# Allegro board HI3516APERB_VER_B_PCB.brd (continued)
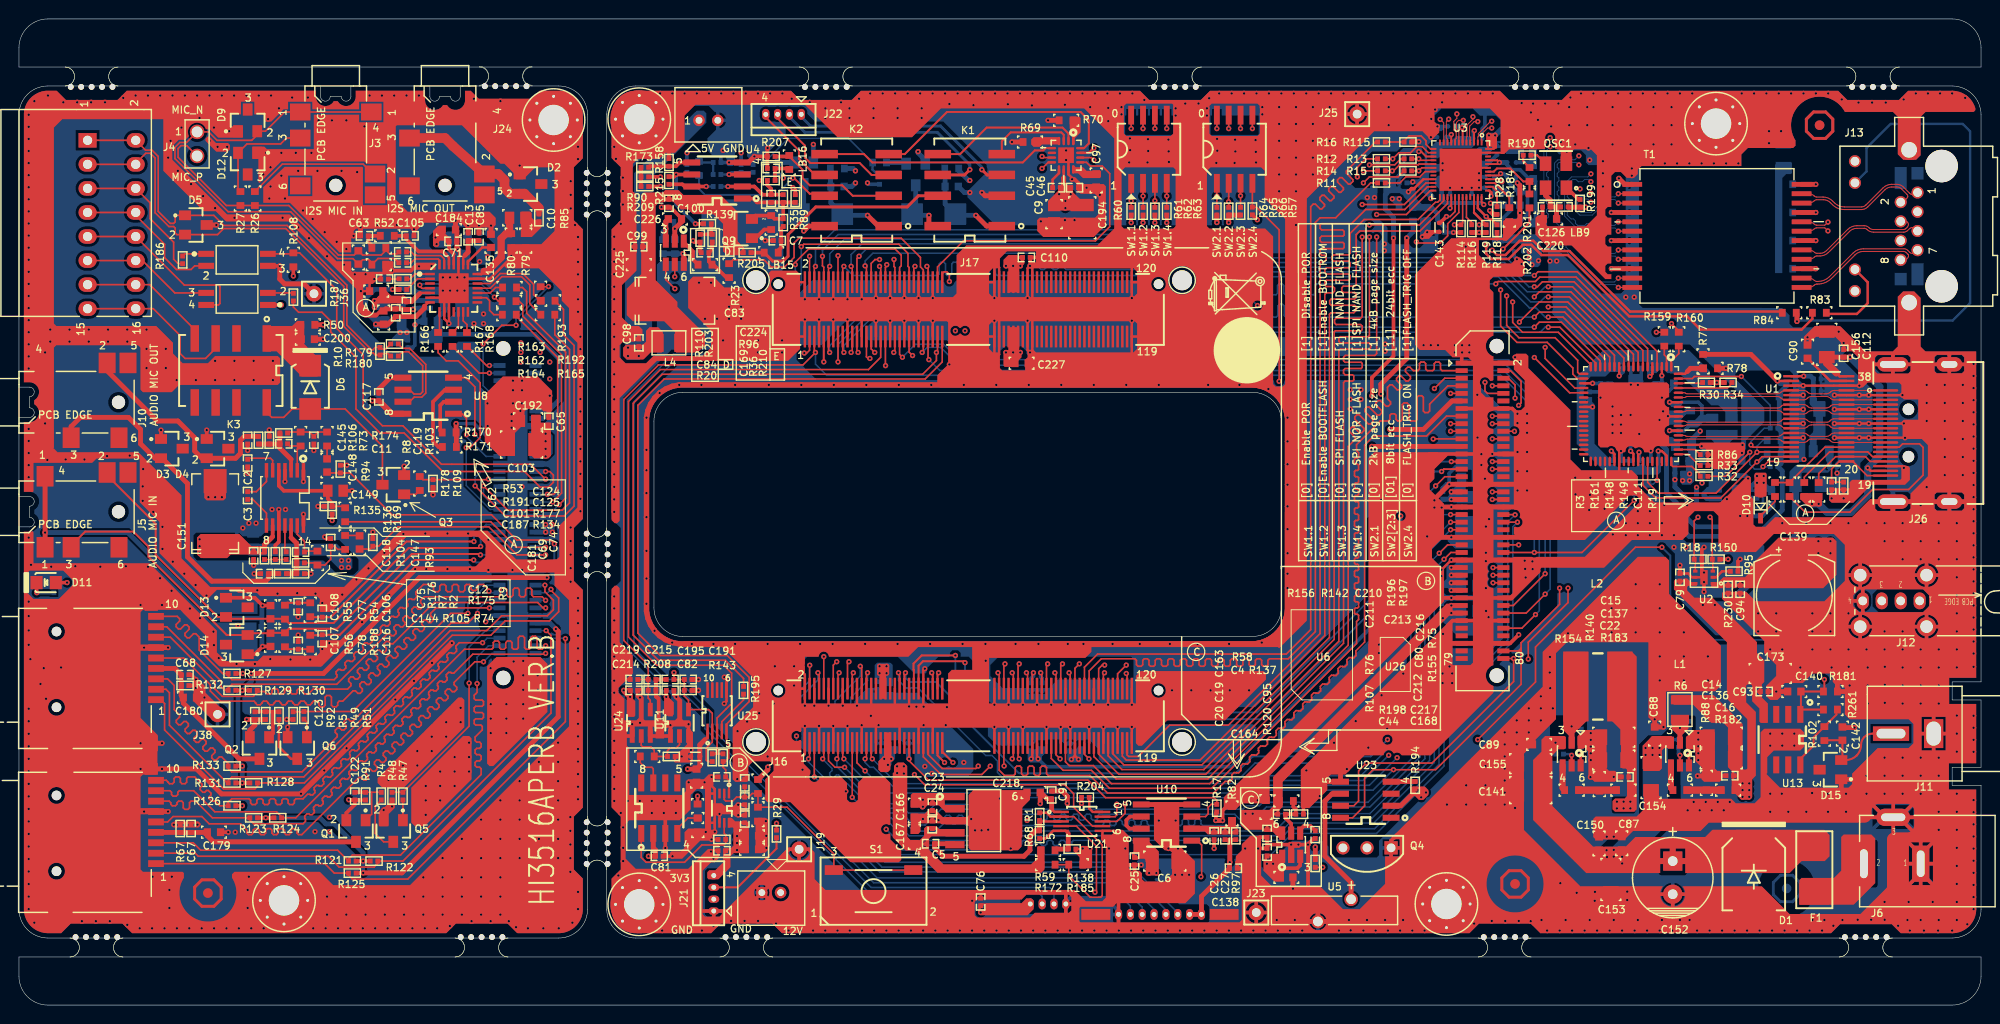
[diagram p0: board, top side]
## Routing (per net, layer and track width the routed paths; a pad name or vN(x,y) marks a point on that pad's centre or on a via; arc(x,y) is an arc through that point) (continued)
RS485_A_D+: length 48.2
  TOP w0.165: J7.3 12.32,88.79 12.32,88.91 13.37,89.96 13.87,89.96 14.36,89.46 14.36,83.69 15.82,82.23 16.32,82.23 16.49,82.06 16.49,81.54 16.65,81.37 D5.2 20.95,81.37 21.59,82.01 28.16,82.01 34.26,75.9 34.26,71.68 37.07,68.88 37.38,68.88 37.61,68.65 R10.1 38.25,68.8 38.96,68.8 R180.2
RS485_B_D-: length 48.4
  TOP w0.165: R179.2 38.71,69.31 38.25,69.31 R10.2 37.61,69.46 37.36,69.21 37.2,69.21 34.59,71.82 34.59,76.04 28.3,82.34 21.62,82.34 20.56,83.41 D5.1 16.65,83.41 16.49,83.24 16.49,82.72 16.32,82.56 15.96,82.56 14.69,83.82 14.69,89.63 14.03,90.29 13.36,90.29 12.32,91.33 J7.1
RXDLY: length 3.2
  TOP w0.165: U3.32 152.73,83.2 153.29,82.64 R116.2
SD0_LED: length 93.9
  TOP w0.165: J17.51 95.42,69.05 v1(95.3,68.93) ; v1(161.04,45.56) 157.68,42.2 J8.66
  BOTTOM w0.165: v1(161.04,45.56) 161.04,63.47 156.92,67.58 99.14,67.58 97.26,69.46 95.82,69.46 95.3,68.94 v1(95.3,68.93)
SD1_LED: length 99.5
  TOP w0.165: v1(93.22,68.42) 92.92,68.72 J17.41 ; v1(161.04,43.4) 159.04,41.4 J8.68
  BOTTOM w0.165: v1(93.22,68.42) 94.58,69.79 97.57,69.79 99.19,68.17 157.17,68.17 161.56,63.78 161.56,43.93 v1(161.04,43.4)
SDIO0_CARD_DETECT: length 94.2
  TOP w0.165: J8.20 v1(157.8,60.6) ; J16.51 95.42,26.21 97.28,24.35 101.6,24.35 v1(102.49,25.24)
  ART03 w0.165: v1(102.49,25.24) 107.05,20.68 126.12,20.68 130.69,25.25 134.5,25.25 147.19,37.94 147.19,54.32 153.47,60.6 v1(157.8,60.6)
SDIO0_CARD_DETECT_C: length 56.8
  TOP w0.165: v1(49.59,43.72) 49.59,43.85 49.02,44.42 48.53,44.42 48.36,44.25 48.36,43.95 48.2,43.78 47.87,43.78 47.7,43.95 47.7,44.25 47.54,44.42 47.21,44.42 47.04,44.25 47.04,43.82 46.88,43.66 46.55,43.66 46.38,43.82 46.38,44.25 46.22,44.42 45.89,44.42 45.72,44.25 45.72,43.82 45.55,43.66 45.22,43.66 45.06,43.82 45.06,44.25 44.89,44.42 44.56,44.42 44.4,44.25 44.4,43.82 44.23,43.66 43.9,43.66 43.74,43.82 43.74,44.25 43.57,44.42 42.67,44.42 41.87,43.62 41.87,43.38 41.96,43.3 41.96,43.07 41.72,42.83 41.49,42.83 41.41,42.92 41.17,42.92 40.94,42.68 40.94,42.45 41.02,42.37 41.02,42.13 40.79,41.9 40.56,41.9 40.47,41.98 40.24,41.98 40,41.75 40,41.52 40.09,41.43 40.09,41.2 39.85,40.97 39.62,40.97 39.54,41.05 39.3,41.05 39.07,40.82 39.07,40.58 39.15,40.5 39.15,40.27 38.92,40.03 38.69,40.03 38.6,40.12 38.37,40.12 38.14,39.88 38.14,39.65 38.22,39.56 38.22,39.33 37.99,39.1 37.75,39.1 37.67,39.18 37.44,39.18 37.2,38.95 37.2,38.71 37.29,38.63 37.29,38.4 37.05,38.16 36.82,38.16 36.73,38.25 36.5,38.25 36.27,38.01 36.27,37.78 36.35,37.7 36.35,37.46 36.12,37.23 35.88,37.23 35.8,37.31 35.57,37.31 35.33,37.08 35.33,36.85 35.42,36.76 35.42,36.53 35.18,36.29 34.95,36.29 34.87,36.38 34.63,36.38 34.4,36.14 34.4,35.91 34.48,35.83 34.48,35.59 34.25,35.36 34.02,35.36 33.93,35.44 33.7,35.44 33.46,35.21 33.46,34.98 33.55,34.89 33.55,34.66 33.26,34.37 22.47,34.37 22.07,34.77 R127.2 21.49,35.02 19.02,37.49 19.02,38.86 18.66,39.22 18.42,39.22 17.99,38.79 17.75,38.79 17.52,39.02 17.52,39.26 17.96,39.69 17.96,39.92 17.72,40.16 17.49,40.16 17.05,39.72 16.82,39.72 16.59,39.96 16.59,40.19 16.96,40.56 16.96,40.8 16.7,41.05 J2.12
  BOTTOM w0.165: J9.20 49.76,43.55 v1(49.59,43.72)
SDIO0_CARD_POWER_EN: length 90.7
  TOP w0.165: J8.22 v1(155.46,59.8) ; v1(101.22,25.24) 100.97,24.99 97.41,24.99 95.92,26.47 J16.53
  ART03 w0.165: v1(101.22,25.24) 106.28,20.18 126.38,20.18 130.96,24.76 134.71,24.76 147.96,38 147.96,54.39 149.1,55.53 150.43,55.53 154.7,59.8 v1(155.46,59.8)
SDIO0_CARD_POWER_EN_C: length 27.9
  TOP w0.165: v1(47.37,41.37) 45.57,41.37 35.21,31.01 R51.1 30.05,30.98 R49.1
  BOTTOM w0.165: J9.22 49.33,44.35 47.37,42.39 v1(47.37,41.37)
SDIO0_CCLK_OUT: length 93.1
  TOP w0.165: v1(103.3,35.1) 103.42,34.98 J16.64 ; J8.16 v1(155.46,62.2)
  ART03 w0.165: v1(155.46,62.2) 153.55,62.2 145.27,53.92 145.27,37.18 134.33,26.24 130.1,26.24 126.18,22.32 107.69,22.32 101.47,28.54 101.47,33.27 v1(103.3,35.1)
SDIO0_CCLK_OUT_C: length 56.7
  TOP w0.165: v1(49.64,41.95) 44.01,41.95 43.43,41.37 43.43,41.14 43.71,40.86 43.71,40.63 43.47,40.4 43.24,40.4 42.97,40.67 42.73,40.67 42.5,40.44 42.5,40.2 42.77,39.93 42.77,39.69 42.54,39.46 42.31,39.46 42.03,39.74 41.8,39.74 41.57,39.5 41.57,39.27 41.84,38.99 41.84,38.76 41.61,38.53 41.37,38.53 41.1,38.8 40.87,38.8 40.63,38.57 40.63,38.33 40.91,38.06 40.91,37.83 40.67,37.59 40.44,37.59 40.16,37.87 39.93,37.87 39.7,37.63 39.7,37.4 39.97,37.13 39.97,36.89 39.74,36.66 39.5,36.66 39.23,36.93 39,36.93 38.76,36.7 38.76,36.47 39.04,36.19 39.04,35.96 38.8,35.72 38.57,35.72 38.3,36 38.06,36 37.83,35.76 37.83,35.53 38.1,35.26 38.1,35.02 37.87,34.79 37.64,34.79 37.36,35.06 37.13,35.06 36.89,34.83 36.89,34.6 37.17,34.32 37.17,34.09 36.94,33.86 36.7,33.86 36.43,34.13 36.19,34.13 35.96,33.9 35.96,33.66 36.23,33.39 36.23,33.16 36,32.92 35.77,32.92 35.49,33.2 35.26,33.2 34.16,32.1 33.79,32.1 33.63,31.93 33.63,31.67 33.46,31.5 33.13,31.5 32.97,31.67 32.97,32.53 32.8,32.7 32.47,32.7 32.31,32.53 32.31,31.67 32.14,31.5 31.81,31.5 31.65,31.67 31.65,31.93 31.48,32.1 31.08,32.1 30.91,31.93 30.91,31.88 30.75,31.72 30.42,31.72 30.25,31.88 30.25,31.93 30.09,32.1 29.76,32.1 29.59,31.93 29.59,31.88 29.43,31.72 29.1,31.72 28.93,31.88 28.93,31.93 28.77,32.1 28.44,32.1 28.27,31.93 28.27,31.88 28.11,31.72 27.78,31.72 27.61,31.88 27.61,31.93 27.44,32.1 27.11,32.1 26.95,31.93 26.95,31.88 26.78,31.72 26.45,31.72 26.29,31.88 26.29,31.93 26.12,32.1 25.79,32.1 25.63,31.93 25.63,31.88 25.46,31.72 25.13,31.72 24.97,31.88 24.97,31.93 24.8,32.1 21.26,32.1 20.19,33.17 20.19,33.83 17.37,36.65 J2.5
  BOTTOM w0.165: J9.16 v1(49.64,41.95)
SDIO0_CCMD: length 90.7
  TOP w0.165: v1(103.95,25.25) 103.92,25.28 J16.65 ; J8.18 v1(155.46,61.4)
  ART03 w0.165: v1(103.95,25.25) 107.37,21.83 118.2,21.83 118.59,21.43 119.25,21.43 119.65,21.83 120.31,21.83 120.71,21.43 121.37,21.43 121.76,21.83 122.42,21.83 122.82,21.43 123.48,21.43 123.87,21.83 124.53,21.83 124.93,21.43 125.59,21.43 125.98,21.83 126.38,21.83 126.67,22.12 130.3,25.75 134.53,25.75 146.43,37.65 146.43,38.95 146.18,39.2 146.18,39.61 146.3,39.73 146.56,39.73 146.69,39.86 146.69,40.27 146.56,40.39 146.3,40.39 146.18,40.52 146.18,40.93 146.3,41.05 146.56,41.05 146.69,41.18 146.69,41.59 146.56,41.71 146.3,41.71 146.18,41.84 146.18,42.25 146.3,42.38 146.56,42.38 146.69,42.5 146.69,42.91 146.56,43.04 146.3,43.04 146.18,43.16 146.18,43.57 146.3,43.7 146.56,43.7 146.69,43.82 146.69,44.23 146.56,44.36 146.3,44.36 146.18,44.48 146.18,44.89 146.3,45.02 146.56,45.02 146.69,45.14 146.69,45.55 146.56,45.68 146.3,45.68 146.18,45.8 146.18,46.21 146.3,46.34 146.56,46.34 146.69,46.46 146.69,46.87 146.56,47 146.3,47 146.18,47.13 146.18,47.53 146.3,47.66 146.56,47.66 146.69,47.79 146.69,48.19 146.56,48.32 146.3,48.32 146.18,48.45 146.18,48.85 146.3,48.98 146.56,48.98 146.69,49.11 146.69,49.51 146.56,49.64 146.3,49.64 146.18,49.77 146.18,50.17 146.3,50.3 146.56,50.3 146.69,50.43 146.69,50.83 146.43,51.09 146.43,52.94 146.27,53.11 146.22,53.11 146.05,53.27 146.05,53.6 146.22,53.77 146.27,53.77 146.43,53.93 146.43,54.39 153.45,61.4 v1(155.46,61.4)
SDIO0_CCMD_C: length 57.7
  TOP w0.165: J2.3 15.68,34.45 16.38,33.75 16.38,31.21 16.94,30.65 16.94,30.42 16.6,30.08 16.6,29.85 16.84,29.61 17.07,29.61 17.41,29.95 17.64,29.95 17.88,29.72 17.88,29.48 17.54,29.14 17.54,28.91 17.77,28.68 18.01,28.68 18.34,29.02 18.58,29.02 18.81,28.78 18.81,28.55 18.47,28.21 18.47,27.98 18.71,27.74 18.94,27.74 19.28,28.08 19.51,28.08 19.74,27.85 19.74,27.61 19.41,27.28 19.41,27.04 19.64,26.81 19.87,26.81 20.21,27.15 20.45,27.15 20.68,26.91 20.68,26.68 20.34,26.34 20.34,26.11 20.57,25.88 20.81,25.88 21.15,26.21 21.38,26.21 22.07,25.52 R133.2 22.07,25.01 22.44,24.64 29.88,24.64 33.59,28.35 33.59,28.58 33.38,28.79 33.38,29.03 33.61,29.26 33.84,29.26 34.05,29.05 34.29,29.05 34.52,29.28 34.52,29.52 34.31,29.73 34.31,29.96 34.54,30.19 34.78,30.19 34.99,29.98 35.22,29.98 45.59,40.35 47.37,40.35 v1(48.39,41.37)
  BOTTOM w0.165: v1(48.39,41.37) 48.39,41.75 49.39,42.75 J9.18
SDIO0_CDATA0: length 91.3
  TOP w0.165: J8.15 150.62,62.2 148.52,60.1 142.94,60.1 141.99,59.15 141.99,38.33 141.06,37.4 141.06,37.17 141.08,37.14 141.08,36.91 140.85,36.68 140.61,36.68 140.59,36.7 140.35,36.7 140.12,36.47 140.12,36.23 140.15,36.21 140.15,35.98 139.91,35.74 139.68,35.74 139.65,35.77 139.42,35.77 139.19,35.53 139.19,35.3 139.21,35.27 139.21,35.04 138.98,34.81 138.75,34.81 138.72,34.83 138.49,34.83 138.25,34.6 138.25,34.37 138.28,34.34 138.28,34.11 138.05,33.87 137.81,33.87 137.79,33.9 137.55,33.9 137.32,33.67 137.32,33.43 137.34,33.41 137.34,33.17 137.11,32.94 136.88,32.94 136.85,32.96 136.62,32.96 136.38,32.73 136.38,32.5 136.41,32.47 136.41,32.24 136.18,32 135.94,32 135.92,32.03 135.68,32.03 135.45,31.8 135.45,31.56 135.48,31.54 135.48,31.3 135.24,31.07 135.01,31.07 134.98,31.1 134.75,31.1 134.52,30.86 134.52,30.63 134.54,30.6 134.54,30.37 134.31,30.14 134.07,30.14 134.05,30.16 133.82,30.16 133.58,29.93 133.58,29.69 133.61,29.67 133.61,29.44 133.37,29.2 133.14,29.2 133.11,29.23 132.88,29.23 132.65,28.99 132.65,28.76 132.67,28.74 132.67,28.5 132.44,28.27 132.21,28.27 132.18,28.29 131.95,28.29 131.71,28.06 131.71,27.83 131.74,27.8 131.74,27.57 131.51,27.33 131.27,27.33 131.25,27.36 131.01,27.36 130.78,27.13 130.78,26.89 130.8,26.87 130.8,26.63 130.57,26.4 130.34,26.4 130.31,26.43 130.08,26.43 129.85,26.19 129.85,25.96 129.87,25.93 129.87,25.7 129.64,25.47 129.4,25.47 129.38,25.49 129.14,25.49 128.91,25.26 128.91,25.02 128.94,25 128.94,24.76 128.7,24.53 128.47,24.53 128.44,24.56 128.21,24.56 127.98,24.32 127.98,24.09 128,24.06 128,23.83 127.77,23.6 127.54,23.6 127.51,23.62 127.28,23.62 126.05,22.4 114.86,22.4 113,24.26 108.59,24.26 108.43,24.42 108.43,25.08 108.26,25.24 107.93,25.24 107.77,25.08 107.77,24.42 107.6,24.26 107.27,24.26 107.11,24.42 107.11,25.08 106.94,25.24 106.61,25.24 106.45,25.08 106.45,24.42 106.28,24.26 105.95,24.26 105.79,24.42 105.79,25.08 105.62,25.24 105.29,25.24 105.13,25.08 105.13,24.42 104.96,24.26 103.98,24.26 103.42,24.82 J16.63
SDIO0_CDATA0_C: length 56.9
  TOP w0.165: J2.7 15.98,38.85 20.69,34.14 20.69,33.38 21.46,32.61 24.75,32.61 25.15,33.01 R130.2 25.27,33.11 25.92,33.11 26.17,32.86 26.58,32.86 26.71,32.99 26.71,33.24 26.83,33.37 27.24,33.37 27.37,33.24 27.37,32.99 27.49,32.86 27.9,32.86 28.03,32.99 28.03,33.24 28.15,33.37 28.56,33.37 28.69,33.24 28.69,32.99 28.81,32.86 29.22,32.86 29.35,32.99 29.35,33.24 29.47,33.37 29.88,33.37 30.01,33.24 30.01,32.99 30.13,32.86 30.54,32.86 31.05,33.37 34.67,33.37 35.03,33.72 35.03,33.96 34.79,34.2 34.79,34.43 35.02,34.67 35.25,34.67 35.49,34.43 35.73,34.43 35.96,34.66 35.96,34.89 35.72,35.13 35.72,35.37 35.95,35.6 36.19,35.6 36.43,35.36 36.66,35.36 36.89,35.59 36.89,35.83 36.65,36.07 36.65,36.3 36.89,36.53 37.12,36.53 37.36,36.29 37.6,36.29 37.83,36.53 37.83,36.76 37.59,37 37.59,37.24 37.82,37.47 38.05,37.47 38.3,37.23 38.53,37.23 38.76,37.46 38.76,37.69 38.52,37.94 38.52,38.17 38.76,38.4 38.99,38.4 39.23,38.16 39.46,38.16 43.81,42.51 54.74,42.51 55.3,41.95 v1(55.57,41.95)
  BOTTOM w0.165: J9.15 v1(55.57,41.95)
SDIO0_CDATA1: length 90.5
  TOP w0.165: J8.17 v1(151.06,61.4) ; J16.66 103.92,35.92 v1(104.04,36.04)
  ART03 w0.165: v1(104.04,36.04) 104.04,34.41 102.23,32.61 102.23,31.04 102.4,30.87 102.83,30.87 103,30.71 103,30.38 102.83,30.21 102.4,30.21 102.23,30.04 102.23,29.05 103.43,27.85 103.67,27.85 103.81,28 104.05,28 104.28,27.77 104.28,27.53 104.13,27.39 104.13,27.15 104.39,26.89 107.57,26.89 108.2,26.26 108.2,25.02 108.84,24.39 109.42,23.81 125.47,23.81 129.39,27.73 133.24,27.73 142.2,36.69 142.2,53.51 150.1,61.4 v1(151.06,61.4)
SDIO0_CDATA1_C: length 57.5
  TOP w0.165: v1(55.57,42.75) 55.2,43.12 54.28,43.12 54.11,43.29 54.11,43.87 53.95,44.04 53.62,44.04 53.45,43.87 53.45,43.29 53.29,43.12 52.96,43.12 52.79,43.29 52.79,43.87 52.63,44.04 52.3,44.04 52.13,43.87 52.13,43.29 51.97,43.12 51.64,43.12 51.47,43.29 51.47,43.87 51.31,44.04 50.98,44.04 50.81,43.87 50.81,43.29 50.65,43.12 42.77,43.12 42.38,42.73 42.38,42.5 42.59,42.28 42.59,42.05 42.36,41.82 42.12,41.82 41.91,42.03 41.68,42.03 41.45,41.79 41.45,41.56 41.66,41.35 41.66,41.12 41.42,40.88 41.19,40.88 40.98,41.09 40.74,41.09 40.51,40.86 40.51,40.63 40.72,40.42 40.72,40.18 40.49,39.95 40.26,39.95 40.04,40.16 39.81,40.16 39.58,39.93 39.58,39.69 39.79,39.48 39.79,39.25 39.55,39.01 39.32,39.01 39.11,39.23 38.88,39.23 33.53,33.88 22.47,33.88 22.07,33.48 R129.2 21.72,33.24 21.34,33.62 21.34,34.21 15.6,39.95 J2.8
  BOTTOM w0.165: J9.17 v1(55.57,42.75)
SDIO0_CDATA2: length 91
  TOP w0.165: v1(104.8,26) 104.92,26.12 J16.69 ; J8.19 v1(151.06,60.6)
  ART03 w0.165: v1(104.8,26) 104.8,25.91 107.9,22.82 125.97,22.82 129.89,26.74 134.12,26.74 134.78,27.4 134.78,27.69 135.11,28.01 135.4,28.01 135.72,28.33 135.72,28.62 136.04,28.95 136.33,28.95 136.65,29.27 136.65,29.56 136.97,29.88 137.26,29.88 137.59,30.2 137.59,30.49 137.91,30.81 138.2,30.81 138.52,31.14 138.52,31.43 138.84,31.75 139.13,31.75 139.45,32.07 139.45,32.36 139.78,32.68 140.07,32.68 140.39,33.01 140.39,33.3 140.71,33.62 141,33.62 141.32,33.94 141.32,34.23 141.64,34.55 141.94,34.55 142.26,34.87 142.26,35.16 142.58,35.49 142.87,35.49 143.19,35.81 143.19,36.1 143.51,36.42 143.8,36.42 144.77,37.39 144.77,38.69 144.61,38.86 143.42,38.86 143.26,39.02 143.26,39.35 143.42,39.52 144.61,39.52 144.77,39.68 144.77,40.01 144.61,40.18 143.42,40.18 143.26,40.34 143.26,40.67 143.42,40.84 144.61,40.84 144.77,41 144.77,41.33 144.61,41.5 143.42,41.5 143.26,41.66 143.26,41.99 143.42,42.16 144.61,42.16 144.77,42.32 144.77,42.65 144.61,42.82 143.42,42.82 143.26,42.98 143.26,43.31 143.42,43.48 144.61,43.48 144.77,43.64 144.77,43.97 144.61,44.14 143.42,44.14 143.26,44.3 143.26,44.63 143.42,44.8 144.61,44.8 144.77,44.96 144.77,54.32 v1(151.06,60.6)
SDIO0_CDATA2_C: length 60.5
  TOP w0.165: J2.1 14.96,32.25 15.37,31.84 15.37,29.05 21.59,22.83 24.89,22.83 25.17,23.11 R128.2 30.12,23.46 45.72,39.06 49.79,39.06 51.3,40.57 55.97,40.57 56.95,41.55 56.95,42.99 56.13,43.8 v1(56.13,43.91)
  BOTTOM w0.165: v1(56.13,43.91) 55.77,43.55 J9.19
SDIO0_CDATA3: length 91
  TOP w0.165: J16.71 105.42,26.12 v1(105.54,26) ; J8.21 149.24,59.8 v1(149.22,59.78)
  ART03 w0.165: v1(105.54,26) 108.23,23.31 125.68,23.31 129.6,27.23 133.44,27.23 142.7,36.49 142.7,45.29 142.86,45.46 144.11,45.46 144.27,45.62 144.27,45.95 144.11,46.12 142.86,46.12 142.7,46.28 142.7,46.62 142.86,46.78 144.11,46.78 144.27,46.95 144.27,47.28 144.11,47.44 142.86,47.44 142.7,47.61 142.7,47.94 142.86,48.1 144.11,48.1 144.27,48.27 144.27,48.6 144.11,48.76 142.86,48.76 142.7,48.93 142.7,49.26 142.86,49.42 144.11,49.42 144.27,49.59 144.27,49.92 144.11,50.08 142.86,50.08 142.7,50.25 142.7,50.58 142.86,50.74 144.11,50.74 144.27,50.91 144.27,51.24 144.11,51.4 142.86,51.4 142.7,51.57 142.7,51.9 142.86,52.06 144.11,52.06 144.27,52.23 144.27,52.56 144.11,52.72 142.86,52.72 142.7,52.89 142.7,53.26 v1(149.22,59.78)
SDIO0_CDATA3_C: length 59.7
  TOP w0.165: J2.2 15.51,33.35 15.88,32.99 15.88,29.56 21.97,23.46 R131.2 22.07,23.7 22.47,24.1 30.06,24.1 45.51,39.55 49.36,39.55 50.93,41.12 55.75,41.12 56.39,41.75 56.39,42.77 55.5,43.66 v1(55.5,44.35)
  BOTTOM w0.165: J9.21 v1(55.5,44.35)
SDIO0_VOUT: length 66.1
  TOP w0.165: v1(107.8,35.1) 107.92,34.98 J16.82
  TOP w0.508: v1(142.75,59) J8.23
  ART04 w0.508: v1(107.8,35.1) 107.8,34.4 108.46,33.75 118.24,33.75 119.51,35.02 131.44,35.02 142.3,45.88 142.3,58.56 v1(142.75,59)
  BOTTOM w0.381: C127.1 107.95,34.51 107.8,34.66 v1(107.8,35.1)
SDIO0_VOUT_C: length 52.5
  TOP w0.381: R133.1 v1(23.57,25.24) ; R131.1 v1(23.57,23.46) R128.1 ; R130.1 v1(23.57,33.24) R129.1
  TOP w0.508: v1(55.7,45.15) 42.26,45.15 32.13,35.02 v1(24.51,35.02)
  BOTTOM w0.508: v1(24.51,35.02) 24.51,34.18 v1(23.57,33.24) 23.11,32.78 23.11,25.7 v1(23.57,25.24) v1(23.57,23.46) ; J9.23 v1(55.7,45.15)
SDIO1_CARD_DETECT: length 86.1
  TOP w0.165: J8.8 v1(155.46,65.4) ; v1(112.9,26) 112.42,26.48 J16.99
  ART03 w0.165: v1(155.46,65.4) 155.3,65.25 150.96,65.25 140.21,54.5 140.21,38.43 131.49,29.71 126.98,29.71 126.72,29.97 126.34,29.97 126.06,29.69 125.68,29.69 125.4,29.97 125.02,29.97 124.74,29.69 124.36,29.69 124.08,29.97 123.7,29.97 123.42,29.69 123.04,29.69 122.76,29.97 122.38,29.97 122.1,29.69 121.72,29.69 121.44,29.97 120.68,29.97 120.27,29.56 120.27,27.18 120.1,27.02 119.61,27.02 119.44,27.18 119.44,28.25 119.28,28.42 118.95,28.42 118.78,28.25 118.78,27.18 118.62,27.02 118.07,27.02 117.9,27.18 117.9,27.74 117.74,27.91 117.41,27.91 117.24,27.74 117.24,27.18 117.08,27.02 116.75,27.02 116.58,27.18 116.58,27.74 116.42,27.91 116.09,27.91 115.92,27.74 115.92,27.18 115.76,27.02 115.43,27.02 115.26,27.18 115.26,27.74 115.1,27.91 114.77,27.91 114.6,27.74 114.6,27.18 114.44,27.02 114.11,27.02 113.94,27.18 113.94,27.74 113.78,27.91 111.38,27.91 111.12,27.65 111.12,27.15 111.38,26.89 112.94,26.89 113.16,26.67 113.16,26.26 v1(112.9,26)
SDIO1_CARD_DETECT_C: length 59.6
  TOP w0.165: v1(48.92,38.27) 46.46,38.27 46.1,37.91 46.1,37.68 46.17,37.61 46.17,37.38 45.94,37.14 45.7,37.14 45.63,37.21 45.4,37.21 45.17,36.98 45.17,36.75 45.24,36.68 45.24,36.44 45,36.21 44.77,36.21 44.7,36.28 44.47,36.28 44.23,36.05 44.23,35.81 44.3,35.74 44.3,35.51 44.07,35.27 43.84,35.27 43.77,35.35 43.53,35.35 43.3,35.11 43.3,34.88 43.37,34.81 43.37,34.57 43.14,34.34 42.9,34.34 42.83,34.41 42.6,34.41 42.36,34.18 42.36,33.94 42.43,33.87 42.43,33.64 42.2,33.41 41.97,33.41 41.9,33.48 41.66,33.48 41.43,33.24 41.43,33.01 41.5,32.94 41.5,32.71 41.27,32.47 41.03,32.47 40.96,32.54 40.73,32.54 40.5,32.31 40.5,32.08 40.57,32.01 40.57,31.77 40.33,31.54 40.1,31.54 40.03,31.61 39.8,31.61 39.56,31.37 39.56,31.14 39.63,31.07 39.63,30.84 39.4,30.6 39.17,30.6 39.09,30.67 38.86,30.67 38.63,30.44 38.63,30.21 38.7,30.14 38.7,29.9 38.46,29.67 38.23,29.67 38.16,29.74 37.93,29.74 37.69,29.51 37.69,29.27 37.76,29.2 37.76,28.97 37.53,28.74 37.3,28.74 37.23,28.81 36.99,28.81 36.76,28.57 36.76,28.34 36.83,28.27 36.83,28.03 36.6,27.8 36.36,27.8 36.29,27.87 36.06,27.87 35.82,27.64 35.82,27.4 35.9,27.33 35.9,27.1 35.66,26.87 35.43,26.87 35.36,26.94 35.12,26.94 34.89,26.7 34.89,26.47 34.96,26.4 34.96,26.17 34.73,25.93 34.49,25.93 34.42,26 34.19,26 33.96,25.77 33.96,25.54 34.03,25.47 34.03,25.23 33.79,25 33.56,25 33.49,25.07 33.26,25.07 33.02,24.84 33.02,24.6 33.09,24.53 33.09,24.3 32.86,24.06 32.63,24.06 32.56,24.13 32.32,24.13 32.09,23.9 32.09,23.67 32.16,23.6 32.16,23.36 31.93,23.13 31.69,23.13 31.62,23.2 31.39,23.2 31.15,22.97 31.15,22.73 31.22,22.66 31.22,22.43 30.99,22.2 30.76,22.2 30.69,22.27 30.45,22.27 29.98,21.79 29.23,21.79 29.06,21.63 29.06,21.34 28.9,21.18 28.56,21.18 28.4,21.34 28.4,21.63 28.23,21.79 27.9,21.79 27.74,21.63 27.74,21.34 27.57,21.18 27.24,21.18 27.08,21.34 27.08,21.63 26.91,21.79 26.58,21.79 26.42,21.63 26.42,21.34 26.25,21.18 25.92,21.18 25.76,21.34 25.76,21.63 25.59,21.79 25.26,21.79 25.1,21.63 25.1,21.34 24.93,21.18 24.6,21.18 24.44,21.34 24.44,21.63 24.27,21.79 22.46,21.79 22.07,21.41 R126.2 21.21,21.05 20.72,21.54 20.34,21.54 20.06,21.81 20.06,22 20.25,22.2 20.25,22.39 19.98,22.66 19.79,22.66 19.6,22.47 19.41,22.47 19.13,22.75 19.13,22.94 19.32,23.13 19.32,23.32 18.54,24.1 17.86,24.1 17.69,23.93 17.69,23.55 17.53,23.38 17.2,23.38 17.03,23.55 17.03,23.93 16.87,24.1 16.54,24.1 16.37,23.93 16.37,23.55 16.21,23.38 15.88,23.38 15.71,23.55 15.71,23.57 15.55,23.74 J1.12
  BOTTOM w0.165: J9.8 49.4,38.75 v1(48.92,38.27)
SDIO1_CARD_POWER_EN: length 79.9
  TOP w0.165: J8.10 154.95,64.6 154.69,64.86 v1(154.69,65.77) ; v1(108.54,36.04) 108.42,35.92 J16.84
  ART03 w0.165: v1(108.54,36.04) 108.54,34.81 111.12,32.23 111.12,31.46 111.63,30.96 131.33,30.96 138.75,38.37 138.75,38.78 138.75,40.29 138.75,56.17 148.35,65.77 v1(154.69,65.77)
SDIO1_CARD_POWER_EN_C: length 23.3
  TOP w0.165: v1(47.5,34) 47.5,29.46 R47.1 R48.1
  BOTTOM w0.165: J9.10 49.23,39.55 47.5,37.81 v1(47.5,34)
SDIO1_CCLK_OUT: length 96.2
  TOP w0.165: v1(104.8,35.1) 104.92,34.98 J16.70 ; J8.4 157.37,67 158.5,65.88 158.5,63.59 v1(158.24,63.34)
  ART03 w0.165: v1(158.24,63.34) 158.11,63.21 151.2,63.21 143.66,55.66 141.71,53.71 141.71,36.9 133.03,28.22 129.19,28.22 125.27,24.3 109.76,24.3 108.71,25.35 108.71,26.38 107.57,27.53 105.41,27.53 103.76,29.18 103.76,33.09 104.8,34.13 v1(104.8,35.1)
SDIO1_CCLK_OUT_C: length 60.4
  TOP w0.165: J1.5 15.69,19.34 16.26,19.91 19.3,19.91 20.07,19.14 23.38,19.14 24.05,18.47 24.05,18.17 24.22,18 24.55,18 24.71,18.17 24.71,18.47 24.88,18.64 25.21,18.64 25.37,18.47 25.37,18.17 25.54,18 25.87,18 26.03,18.17 26.03,18.47 26.2,18.64 26.53,18.64 26.69,18.47 26.69,18.17 26.86,18 27.19,18 27.35,18.17 27.35,18.47 27.52,18.64 27.85,18.64 28.01,18.47 28.01,18.17 28.18,18 28.51,18 28.67,18.17 28.67,18.47 28.84,18.64 29.17,18.64 29.33,18.47 29.33,18.17 29.5,18 29.84,18 35.87,24.03 36.11,24.03 36.38,23.76 36.62,23.76 36.85,23.99 36.85,24.22 36.57,24.5 36.57,24.73 36.81,24.97 37.04,24.97 37.32,24.69 37.55,24.69 37.78,24.92 37.78,25.16 37.51,25.43 37.51,25.67 37.74,25.9 37.98,25.9 38.25,25.63 38.48,25.63 38.72,25.86 38.72,26.09 38.44,26.37 38.44,26.6 38.68,26.83 38.91,26.83 39.18,26.56 39.42,26.56 39.65,26.79 39.65,27.03 39.38,27.3 39.38,27.53 39.61,27.77 39.84,27.77 40.12,27.49 40.35,27.49 40.59,27.73 40.59,27.96 40.31,28.24 40.31,28.47 40.55,28.7 40.78,28.7 41.05,28.43 41.29,28.43 41.52,28.66 41.52,28.9 41.25,29.17 41.25,29.4 41.48,29.64 41.71,29.64 41.99,29.36 42.22,29.36 42.45,29.6 42.45,29.83 42.18,30.1 42.18,30.34 42.41,30.57 42.65,30.57 42.92,30.3 43.16,30.3 43.39,30.53 43.39,30.76 43.11,31.04 43.11,31.27 43.35,31.5 43.58,31.5 43.86,31.23 44.09,31.23 44.32,31.46 44.32,31.7 44.05,31.97 44.05,32.21 44.28,32.44 44.52,32.44 44.79,32.17 45.02,32.17 45.26,32.4 45.26,32.63 44.98,32.91 44.98,33.14 45.22,33.37 45.45,33.37 45.72,33.1 45.96,33.1 46.19,33.33 46.19,33.57 45.92,33.84 45.92,34.07 48.1,36.25 v1(49.02,36.25)
  BOTTOM w0.165: J9.4 49.92,37.15 v1(49.02,36.25)
SDIO1_CCMD: length 93.9
  TOP w0.165: J8.6 157.16,66.2 157.86,65.5 v1(157.86,64.1) ; v1(105.54,36.04) 105.42,35.92 J16.72
  ART03 w0.165: v1(105.54,36.04) 105.54,33.75 105.16,33.36 105.16,29.05 106.05,28.16 107.7,28.16 109.22,26.64 109.22,25.62 110.04,24.8 125.06,24.8 128.98,28.72 132.83,28.72 141.21,37.1 141.21,53.92 143.45,56.16 143.45,56.16 151,63.7 151.41,63.7 157.46,63.7 v1(157.86,64.1)
SDIO1_CCMD_C: length 60.8
  TOP w0.165: v1(48.34,33.95) 48.34,33.02 48.19,32.87 48.19,32.87 48.04,32.73 48.04,32.36 48.19,32.21 48.87,32.21 49.02,32.06 49.02,31.7 48.87,31.55 48.19,31.55 48.04,31.4 48.04,31.04 48.19,30.89 48.87,30.89 49.02,30.74 49.02,30.38 48.87,30.23 48.19,30.23 48.04,30.08 48.04,29.72 48.19,29.57 48.74,29.57 48.89,29.42 48.89,29.06 48.13,28.31 48.13,27.94 48.3,27.77 48.6,27.77 48.77,27.61 48.77,27.28 48.6,27.11 48.3,27.11 48.13,26.95 48.13,26.62 48.3,26.45 48.6,26.45 48.77,26.29 48.77,25.96 48.6,25.79 48.3,25.79 48.13,25.63 48.13,25.3 48.3,25.13 48.6,25.13 48.77,24.97 48.77,24.35 40.26,15.84 35.18,15.84 34.77,15.44 R121.2 33.63,16.35 19.18,16.35 18.39,17.14 J1.3
  BOTTOM w0.165: J9.6 49.54,37.95 48.34,36.75 v1(48.34,33.95)
SDIO1_CDATA0: length 92.9
  TOP w0.165: J16.91 110.42,25.69 110.82,25.29 113.36,25.29 115.27,23.39 125.64,23.39 140.26,38.01 140.26,59.01 140.99,59.74 140.99,59.97 140.39,60.57 140.39,60.8 140.62,61.03 140.86,61.03 141.45,60.44 141.69,60.44 141.92,60.67 141.92,60.91 140.94,61.88 140.94,62.12 141.18,62.35 141.41,62.35 142.39,61.37 142.62,61.37 142.85,61.61 142.85,61.84 142,62.69 142,62.92 142.24,63.16 142.47,63.16 143.32,62.31 143.55,62.31 143.79,62.54 143.79,62.78 143.19,63.37 143.19,63.6 143.43,63.84 143.66,63.84 144.25,63.24 144.49,63.24 144.72,63.48 144.72,63.71 144.4,64.03 144.4,65.25 144.66,65.51 144.89,65.51 145.42,64.98 145.66,64.98 145.89,65.21 145.89,65.45 145.36,65.97 145.36,66.21 145.59,66.44 145.83,66.44 146.36,65.91 146.59,65.91 146.82,66.15 146.82,66.38 146.29,66.91 146.29,67.14 146.53,67.38 146.76,67.38 147.13,67 147.61,67 147.77,67.17 147.77,67.75 147.94,67.91 148.27,67.91 148.43,67.75 148.43,67.17 148.6,67 149.17,67 149.33,67.17 149.33,67.75 149.5,67.91 149.83,67.91 150,67.75 150,67.17 150.16,67 J8.3
SDIO1_CDATA0_C: length 61.4
  TOP w0.165: v1(55.57,37.15) 55.47,37.05 47.88,37.05 45.88,35.05 45.65,35.05 45.56,35.14 45.33,35.14 45.1,34.9 45.1,34.67 45.18,34.59 45.18,34.35 44.95,34.12 44.71,34.12 44.63,34.2 44.4,34.2 44.16,33.97 44.16,33.74 44.25,33.65 44.25,33.42 44.01,33.19 43.78,33.19 43.7,33.27 43.46,33.27 43.23,33.04 43.23,32.8 43.31,32.72 43.31,32.49 43.08,32.25 42.84,32.25 42.76,32.34 42.53,32.34 42.29,32.1 42.29,31.87 42.38,31.78 42.38,31.55 42.14,31.32 41.91,31.32 41.83,31.4 41.59,31.4 41.36,31.17 41.36,30.93 41.44,30.85 41.44,30.62 41.21,30.38 40.98,30.38 40.89,30.47 40.66,30.47 40.43,30.23 40.43,30 40.51,29.92 40.51,29.68 40.28,29.45 40.04,29.45 39.96,29.53 39.72,29.53 39.49,29.3 39.49,29.07 39.58,28.98 39.58,28.75 39.34,28.51 39.11,28.51 39.02,28.6 38.79,28.6 38.56,28.37 38.56,28.13 38.64,28.05 38.64,27.81 38.41,27.58 38.17,27.58 38.09,27.66 37.86,27.66 37.62,27.43 37.62,27.2 37.71,27.11 37.71,26.88 37.47,26.65 37.24,26.65 37.16,26.73 36.92,26.73 36.69,26.5 36.69,26.26 36.77,26.18 36.77,25.95 36.54,25.71 36.31,25.71 36.22,25.8 35.99,25.8 35.75,25.56 35.75,25.33 35.84,25.25 35.84,25.01 35.6,24.78 35.37,24.78 35.29,24.86 35.05,24.86 34.82,24.63 34.82,24.39 34.9,24.31 34.9,24.08 34.67,23.84 34.44,23.84 34.35,23.93 34.12,23.93 33.89,23.69 33.89,23.46 33.97,23.38 33.97,23.14 33.74,22.91 33.5,22.91 33.42,22.99 33.19,22.99 32.95,22.76 32.95,22.53 33.04,22.44 33.04,22.21 32.8,21.98 32.57,21.98 32.48,22.06 32.25,22.06 32.02,21.83 32.02,21.59 32.1,21.51 32.1,21.27 31.87,21.04 31.63,21.04 31.55,21.12 31.32,21.12 31.08,20.89 31.08,20.66 31.17,20.57 31.17,20.34 30.93,20.11 30.7,20.11 30.62,20.19 30.38,20.19 30.15,19.96 30.15,19.72 30.23,19.64 30.23,19.41 29.97,19.14 24.77,19.14 24.36,19.55 R123.2 20.41,19.78 18.65,21.54 18.16,21.54 18,21.37 18,20.83 17.83,20.67 17.5,20.67 17.34,20.83 17.34,21.37 17.17,21.54 16.84,21.54 16.68,21.37 16.68,21.22 16.51,21.05 16.18,21.05 16.02,21.22 16.02,21.37 15.85,21.54 J1.7